# Altium PCB ALTIUM_{TEX139}_HV-1PH-DCAC-R3.PcbDoc (part 2 of 3)
Units mil, origin at the board's own origin, x right, y up, seen from the top; angles counter-clockwise.
Board outline 11236.22 x 7400 mil, 2 copper layers (Top Layer, Bottom Layer); 251 components, 161 nets, 894 pads, 401 vias.
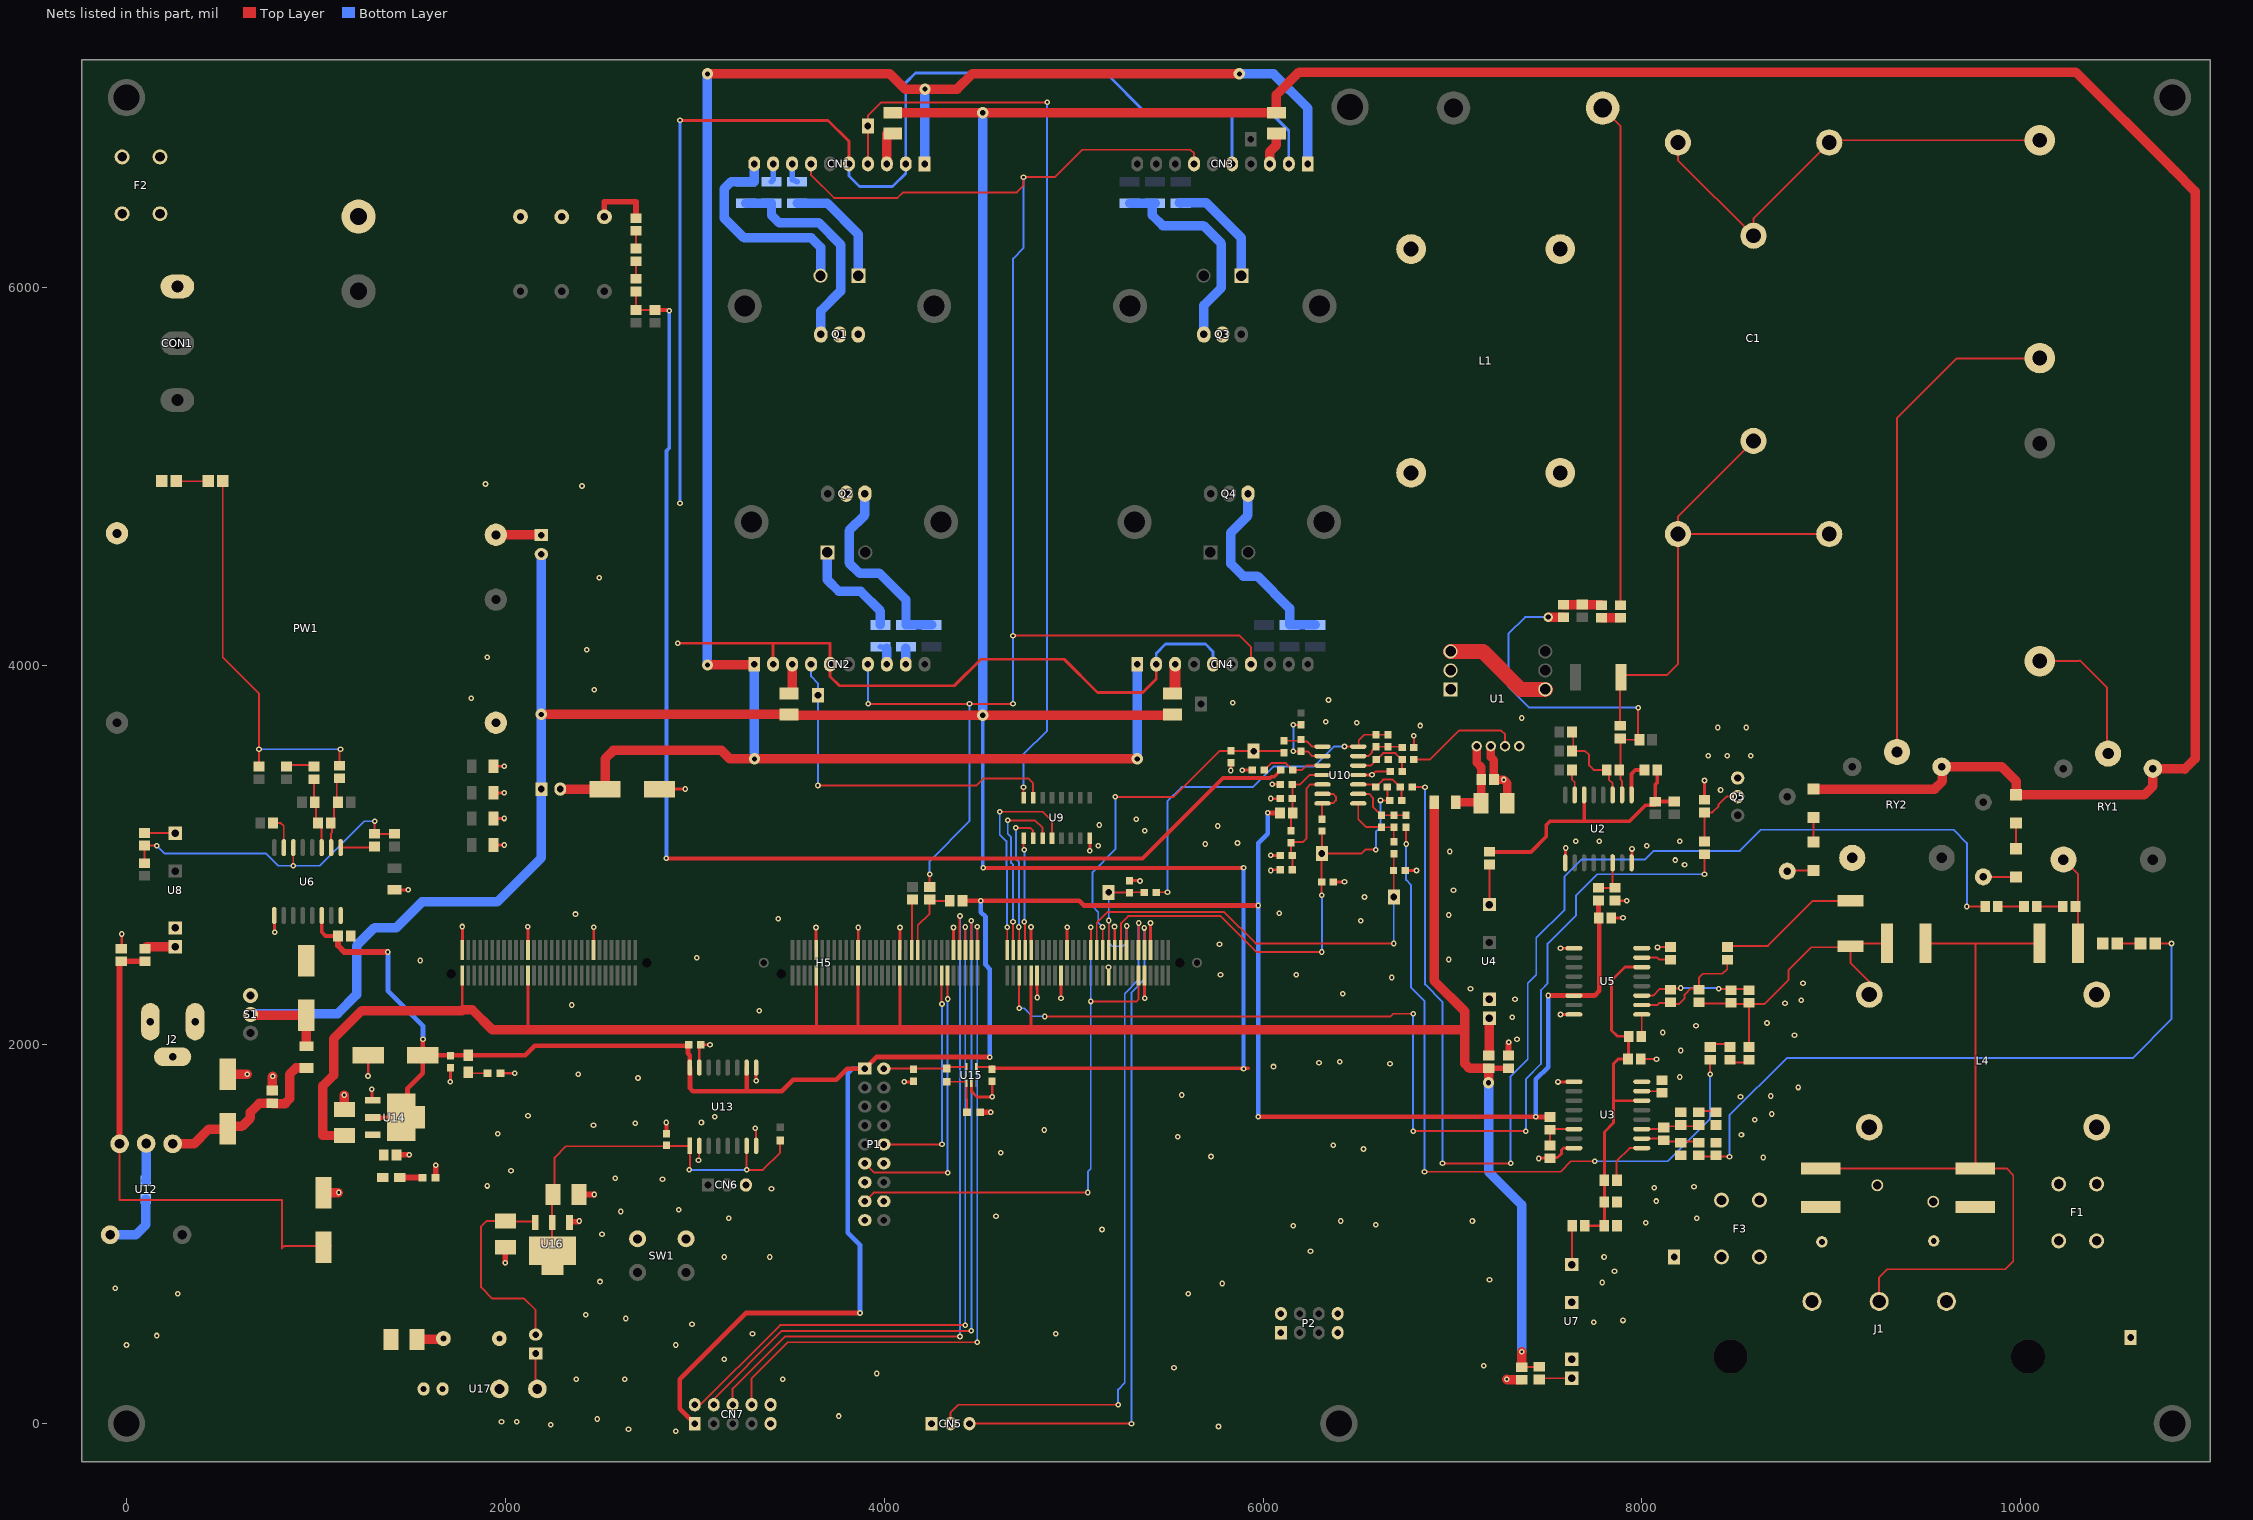
[diagram p2: the nets of this part, all layers, seen from the top]

## Part data
C1: "CAP, Film, 4.7 µF, 630 V, +/- 10%, 0.015 ohm, TH"
C3 C5 C6: library part C3222P2, "C3222P2"
C4 C8 C13 C14: library part GRM55DR72J154KW01L, "CAP, CERM, 0.15uF, 630V, +/-10%, X7R, 2220"
C7: library part CE1035P2, "CE1035P2"
C9 C12 C45 C46 C47 C48 C49 C50 C51 C52 C53 C54 C55 C58 C64 C66: library part Capacitor, "CAP, CERM, xxxF, xxV, [TempCo], xx%, [PackageReference]"
C11 C57 C68 C73 C74: library part CE5080R, "CE5080R"
C15 C16 C17 C18 C25 C26 C27 C30 C32 C33 C37 C40: "CAP, CERM, 0.1uF, 16V, +/-10%, X7R, 0805"
C19 C20 C31 C36: "CAP, CERM, 330pF, 50V, +/-10%, X7R, 0805"
C21 C22 C23 C24 C34 C35 C38 C39: "CAP, CERM, 10pF, 50V, +/-5%, C0G/NP0, 0805"
C28 C29 C41 C42 C43 C44: "CAP, CERM, 1uF, 20V, +/-10%, X5R, 0805"
C56 C61 C62 C69: "CAP, AL, 100uF, 50V, +/-20%,  ohm, SMD"
C59: "CAP, AL, 330uF, 2.5V, +/-20%, 0.015 ohm, SMD"
C63 C65 C67: library part C0603SM, "C0603SM"
C70 C71 C72: library part C0805BSM, "C0805BSM"
CN1 CN2 CN3 CN4: library part DRV10
CN5 CN6: library part DB01P03, "DB01P03"
CN7: library part "Header 5X2", "Header, 5-Pin, Dual row"
CON1: library part CN25P03, "CN25P03"
D1 D2 D3 D4: library part C3D08060A, "Diode, Schottky, 600V, 8A, TH"
D5 D6: library part D10626A, "D10626A"
D7 D8: library part LED0, "Typical INFRARED GaAs LED"
F1 F2 F3: library part Vertical_Fuse
H1 H2 H3 H4: "HEATSINK TO-218/TO-247 W/PINS 2\""
H5: library part HEADER_HSEC_180_F2837x_HVDCACSolar
J1: "Connector, AC Board mount, 9mm"
J2: library part PWR2.5, "Low Voltage Power Supply Connector"
J5: library part Pwr_Short
JP2 JP3 JP4: library part J7, "J7"
L1: library part RC1212P2, "Custom"
L2 L2N: library part 1140-471K-RC
L3 L5 L6 L7 L8 L9 L19: "Ferrite Bead, 100 ohm @ 100MHz, 3A, 1206"
L10 L11 L12 L13 L14 L15 L16 L17 L18: library part MMZ2012R300A, "Ferrite Bead, 30 ohm @ 100MHz, 1.5A, 0805"
P1: "Header, 9-Pin, Dual row"
P2: "Header, 4-Pin, Dual row"
PW1: library part PR902A
Q1 Q2 Q3 Q4: library part IGBT
Q5: library part FET350R, "FET350R"
R2 R3 R5 R25 R26 R27 R28 R29 R30 R31 R35 R36 R72: library part R0805BSM, "R0805BSM"
R6 R7 R9 R10 R12 R13 R18 R19 R21 R22 R23 R24: library part ERJ14NF5110U, "RES, 47Kohm, 1%, 0.5W, 1210"
R8 R11 R15: library part Resistor, "RES, 1M ohm, 1%, xW, [PackageReference]"
R14 R41 R43 R52 R53: "RES, 1.62k ohm, 1%, 0.125W, 0805"
R16: library part Resistor, "RES, 22K ohm, 1%, xW, [PackageReference]"
R17 R20 R32 R37 R47 R48: "RES, 1.00Meg ohm, 1%, 0.125W, 0805"
R33 R39 R40 R42 R44 R46 R49 R51 R54: "RES, 12 ohm, 5%, 0.125W, 0805"
R34 R38 R45 R50: "RES, 1.1 ohm, 5%, 0.125W, 0805"
R55 R56 R58 R59 R60 R61 R63 R64 R65 R66 R67 R68 R78 R79 R80: library part Resistor, "RES, 1K ohm, x%, xW, [PackageReference]"
R57 R62: library part Resistor, "RES, 10K ohm, x%, xW, [PackageReference]"
R69: "RES, 3.3Kohm, 5%, 0.125W, 0805"
R70: "RES, 0 ohm, 5%, 0.125W, 0805"
R71: "RES, 0.0 ohm, 5%, 0.125W, 0805"
R73 R74 R75 R76 R77: library part R0603SM, "R0603SM"
RSH1 RSH2: "RES, 0.01 ohm, 1%, 1W, 2512"
RV1: "Varistor 275V RMS 10MM Radial, TH"
RY1 RY2: library part RY201-1C
S1: library part SW-SPDT, "SPDT Subminiature Toggle Switch, Right Angle Mounting, Vertical Actuation"
SW1: library part KRS640, "KRS640"
TP1 TP2 TP13 TP14 TP15 TP16 TP17 TP18 TP19 TP20: library part PIN1, "ZR"
U1: "Current Transducer, AC/DC, 6A, TH"
U2 U3 U5 U6: "20MHz, Second-Order, Isolated Delta-Sigma Modulator for Current-Shunt Measurement, DW0016A"
U4 U7 U8: "IC, Miniature, 1-W, 3-kV Isolated Unregulated DC/DC Converters"
U9: library part 2003SM, "2003SM"
U10: "High-Speed, Single-Supply, Rail-to-Rail Operational Amplifier MicroAmplifier(TM) Series, 2.7 to 5.5 V, -55 to 150 degC, 14-pin SOIC (D0014A), Green (RoHS & no Sb/Br)"
U12: library part Component_1
U13: library part ISO7242, "ISO7242"
U14 U16: library part LM1117SM, "LM1117SM"
U17: library part DCH010505S
ZD1 ZD2 ZD3 ZD4: library part ZD123BSM, "ZD123BSM"

## Via types
v1: diameter 30/30 (per signal layer), hole 14, Top Layer to Bottom Layer, 390 vias
v2: diameter 60/60 (per signal layer), hole 28, Top Layer to Bottom Layer, 10 vias
v3: diameter 50, hole 28, Top Layer to Bottom Layer, 1 vias

## Nets (pads, with @x,y where several pads share a name; then routed paths per layer and width w, separated by ;. In a path a pad name is that pad's centre, name@x,y a point inside that pad or via, vN(x,y) a via of type N, cw(c..) or ccw(c..) an arc to the next point about the centre after c; other vN are vias at no path point)
1.65V: C46.1 C48.2 H5.17 R59.1 R61.1 TP14.1 | length 2675.7
  Top Layer w10: H5.17@5248.03,2540 5250,2501.97 5250,2642 5287,2679 5776,2679 5965,2490 v1(6310,2490) ; v1(6310,2790) 6308.5,2791.5 6308.5,3018.5 TP14.1@6310,3020 ; R59.1@6310,3128.5 TP14.1@6310,3020 ; v1(6595,3030) 6540,3030 6520,3010 TP14.1@6310,3010 TP14.1@6310,3020 ; v1(6620,3290) C48.2@6656.5,3290 ; R61.1@6656.5,3360 C48.2@6656.5,3290 ; C48.2@6668.5,3290 C48.2@6661.5,3290 ; C48.2@6656.5,3290 C48.2@6661.5,3290 ; C48.2@6656.5,3290 6656.5,3285 C48.2@6661.5,3290
  Bottom Layer w10: v1(6310,2490) v1(6310,2790) ; v1(6595,3030) 6595,3125 6620,3150 v1(6620,3290)
3.3V: C51.1 C52.1 L18.2 R57.2 U10.4 | length 428.5
  Top Layer w10: R57.2@6147.78,3130.65 6147.78,3215.69 L18.2@6156.24,3224.15 6156.24,3297.18 C51.1@6154.28,3299.15 C52.1@6154.28,3374.15 6195,3374.15 6245.85,3425 6312.66,3425 U10.4@6313.51,3424.15
3.3VA: C27.2 C33.2 C63.2 C69.1 C70.2 CN7.1 D7.1 L10.2 L11.2 L18.1 P1.1 R69.2 U5.14 U6.14 U13.10 U13.16 U14.2 U14.4 U14.4/2 | length 15066.8
  Top Layer w10: U14.4@1445.55,1614.61 1446.57,1613.58 1450.08,1613.58 U14.4/2@1545.55,1613.58
  Top Layer w20: U6.14@1030.57,2682.34 1030.57,2595 1050.57,2575 C33.2@1116.54,2575
  Top Layer w25: U14.2@1295.53,1613.59 1300.09,1613.62 1445.55,1614.61 1483.7,1614.61 1483.7,1617 1483.7,1770 1563.7,1850 C69.1@1563.7,1945 ; v1(1565,2030) 1563.7,2028.7 C69.1@1563.7,1945 ; CN7.1@3000,0 2920,80 2920,234 3270,584 v1(3872,584) ; U13.10@3273.78,1879.84 3275,1879.84 3275,1755 ; R69.2@4413.46,2760 v1(4510,2760) 5030,2760 5055,2735 v1(5975,2735) ; v1(4557,1935) 3958.63,1935 P1.1@3897.78,1874.15 3805,1874.15 3745.85,1815 3520,1815 3460,1755 3275,1755 ; v1(5975,1620) v1(7440,1620) 7441.54,1618.46 L11.2@7515,1618.46 ; v1(6025,3225) 6025.85,3224.15 L18.1@6089.31,3224.15 ; v1(7505,2260) U5.14@7640.87,2260 7750,2260 7775,2285 7775,2666.54 C27.2@7771.54,2670 7770,2670 L10.2@7770,2761.54 ; C69.1@1563.7,1945 1709.37,1945 1710,1945.63 1710.35,1945.28 D7.1@1805,1945.28 1805.28,1945 2105,1945 2155,1995 C63.2@2963.78,1995 ; C63.2@2963.78,1995 2963.78,1999.41 2964.37,2000 2964.37,1995 C63.2@2963.78,1995 ; C63.2@2963.78,1995 2963.78,1955 2973.78,1945 U13.16@2973.78,1879.84 2975,1878.62 2975,1770 2990,1755 3275,1755
  Top Layer w30: C33.2@1116.54,2575 1116.54,2523.46 1150,2490 v1(1380,2490)
  Bottom Layer w25: v1(1380,2490) 1380,2285 1565,2100 v1(1565,2030) ; v1(3872,584) 3872,944 3807,1009 3807,1849 3832.15,1874.15 P1.1@3897.78,1874.15 ; v1(4510,2760) 4510,2700 4535,2675 4535,2422 4557,2400 v1(4557,1935) ; v1(5975,1620) v1(5975,2735) 5975,3065 6025,3115 v1(6025,3225) ; v1(7440,1620) 7440,1817 7505,1882 v1(7505,2260)
3.3VISO: C65.1 C73.1 R75.1 U13.1 U13.7 U16.2 U16.4 U16.4/2 | length 2148.8
  Top Layer w10: U16.4/2@2246.45,840.47 2246.45,916.18 2246.59,916.32 2246.59,1065.32 2245.59,1066.32 2245.59,1204.49 C73.1@2251.1,1210 2260,1218.9 2260,1404.37 2320,1464.37 2850,1464.37 2852.09,1466.46 U13.1@2973.78,1466.46 2973.78,1340 v1(2970,1340) ; U13.7@3273.78,1466.46 v1(3273.78,1340) 3360,1340 3450,1430 R75.1@3450,1494.96
  Bottom Layer w10: v1(2970,1340) v1(3273.78,1340)
12V: C71.2 P1.2 R73.1 U15.5 | length 441.3
  Top Layer w10: P1.2@3997.78,1874.15 3999.26,1875.63 4155,1875.63 4155,1875.04 R73.1@4330,1875.04 4338.27,1883.31 U15.5@4434.41,1883.31
+5V: C28.1 C41.1 C43.1 C57.1 C62.1 C66.1 C68.1 D8.1 H5.48 H5.84 H5.98 H5.112 H5.158 H5.180 L3.1 L12.1 L14.1 L16.1 U12.3 U14.3 U17.1 | length 14301.6
  Top Layer w10: U12.3@-36.38,1477.13 -36.38,1180 820,1180 820,925 832.5,937.5 C62.1@1079.13,937.5 ; C41.1@7365,298.46 7458,298.46 L14.1@7458,300
  Top Layer w15: 1772.91,2185 H5.180@1772.91,2326.14 ; 2119.37,2080.63 H5.158@2119.37,2326.14 ; 3641.73,2081.73 H5.112@3641.73,2326.14 ; 3862.2,2080 H5.98@3862.2,2326.14 ; 4082.68,2080 H5.84@4082.68,2326.14 ; 4775.59,2080 H5.48@4775.59,2326.14
  Top Layer w30: U12.3@-36.38,1477.13 -36.38,2431.53 C43.1@-27.22,2440.68 L16.1@97.78,2440.68 ; L12.1@7190.78,1876.54 C28.1@7295,1876.54
  Top Layer w50: C68.1@1150,1521.1 1037,1521.1 1037,1784 1092,1839 1094,1839 1094,2033 1241,2180 1772.91,2180 1772.91,2185 1825,2185 1930,2080 2120,2080 ; 2119.37,2080.63 2120,2080 ; 3641.73,2081.73 3640,2080 ; L3.1@6902.91,3280 6902.91,2338.09 7065,2176 7065,2080 ; v2(7190,1800) 7190.78,1800.78 L12.1@7190.78,1876.54 7189.24,1875 7090,1875 7065,1900 7065,2080 ; C41.1@7365,298.46 v1(7365,380) ; 2120,2080 3640,2080 ; 3640,2080 3862.2,2080 4082.68,2080 4775.59,2080 7065,2080
  Bottom Layer w50: v2(7190,1800) 7190,1330 7365,1155 v1(7365,380)
+5V_1: C18.2 C30.2 C42.1 L15.2 R38.1 R45.1 U3.6 U5.6 | length 1891.6
  Top Layer w15: L15.2@7698.46,1045 C42.1@7801.54,1045 C18.2@7801.54,1170 R38.1@7801.54,1285 7801.54,1540 7850,1588.46 7850,1705 ; U3.6@7999.13,1705 7850,1705 ; U5.6@7999.13,2410 7910,2410 7840,2340 7840,2075 7870,2045 7928.5,2045 R45.1@7929.5,2044 7929.5,1925 C30.2@7926.54,1925 7875,1925 7850,1900 7850,1705
+5V_2: C17.2 C29.1 L13.2 R34.1 U2.6 | length 1441.7
  Top Layer w20: L13.2@7195.78,3018.46 7413.46,3018.46 7495,3100 7495,3160 7515,3180 7695,3180 ; U2.6@7695,3319.13 7695,3180 ; R34.1@8080.69,3450.85 8080.69,3385 8070,3374.31 C17.2@8070,3283.65 ; C29.1@8170,3284.46 8170,3283.65 C17.2@8070,3283.65 ; 7695,3180 7935,3180 8020,3265 8070,3265 C17.2@8070,3283.46 C17.2@8070,3283.65
+5V_3: C32.2 C44.1 L17.2 R50.1 U6.6 | length 1716.9
  Top Layer w10: C44.1@95,2958.46 L17.2@95,3051.54 158.46,3051.54 v1(160,3050) ; v1(880,2945) 880.57,2945.57 U6.6@880.57,3040.61 ; v1(1310,3180) R50.1@1310,3113.46 C32.2@1415,3113.46
  Bottom Layer w10: v1(160,3050) 200,3010 735,3010 800,2945 v1(880,2945) 1020,2945 1255,3180 v1(1310,3180)
+15V: C59.1 C72.2 JP2.1 JP3.2 L19.1 R28.2 R29.2 R35.2 R36.2 RY1.1 RY2.1 S1.2 U15.4 ZD1.1 ZD3.1 | length 27938.3
  Top Layer w10: U15.4@4485.59,1883.31 C72.2@4570.8,1883.31 ; v1(5897,1874) 5920.37,1875.63
  Top Layer w20: v1(4522,2934) v1(5897,2934) ; C72.2@4570.8,1883.31 4570,1882.51 4570,1875.63 5920.37,1875.63
  Top Layer w50: S1.2@655,2160 658.7,2156.3 C59.1@950,2156.3 L19.1@950,1992.09 ; v2(2190,3744.03) R36.2@3497.78,3744.03 3501.81,3740 v2(4520,3740) 5522.78,3740 R35.2@5522.78,3744.03 ; R29.2@4045,6920.12 v2@4520,6920.12 ; v2(4520,6920) v2@4520,6920.12 ; ZD3.1@8905,3349.8 9544.95,3350.01 9585,3389.94 9585,3464.38 RY2.1@9582.22,3467.16 ; RY2.1@9585,3467.16 9900,3467.16 9975,3392.16 ZD1.1@9975,3319.8 10652.22,3319.8 10697.22,3364.8 RY1.1@10697.22,3458.16 10861.84,3458.16 10865,3455 10920,3510 10920,6505 10805,6620 ; 10800,6625 10290,7135 6190,7135 6070,7015 R28.2@6070,6920.12 v2@4520,6920.12
  Bottom Layer w20: v2(4520,3740) 4520,2936 v1(4522,2934) ; v1(5897,1874) v1(5897,2934)
  Bottom Layer w50: S1.2@655,2160 660,2165 1115,2165 1215,2265 1215,2524 1310,2619 1425,2619 1560,2754 1957,2754 2190,2987 JP2.1@2190,3350 v2(2190,3744.03) JP3.2@2190,4590 ; v2(4520,3740) v2(4520,6920)
+15VDRV: C56.1 CN1.1 CN2.1 CN3.1 CN4.1 JP2.2 | length 11612.8
  Top Layer w10: v2(3315,3509) v2@3322,3509
  Top Layer w50: JP2.2@2290,3350 C56.1@2526.3,3350 2526.3,3510 2570.3,3554 3141,3554 3186,3509 v2(3315,3509) ; v2(3067,4005) 3313.78,4005 CN2.1@3313.78,4009 ; v2(3067,7125) 4030,7125 4110,7045 v2(4215,7045) 4385,7045 4465,7125 v2(5875,7125) ; v2@3322,3509 v2(5335,3509)
  Bottom Layer w50: v2(3067,4005) v2(3067,7125) ; CN2.1@3313.78,4009 v2(3315,3509) ; CN1.1@4213.78,6650 4215,6651.22 v2(4215,7045) ; v2(5335,3509) 5335,4000.22 CN4.1@5335.78,4009 ; v2(5875,7125) 6055.78,7125 6235.78,6945 CN3.1@6235.78,6650
+BUS: C3.2 C5.2 C6.2 C7.1 D1.1 D3.1 F2.3 F2.4 PW1.1 Q1.2 Q3.2 R6.2 R7.2 R8.2 R47.1 | length 1555
  Top Layer w30: C6.2@2522.78,6371 2522.78,6450 2690,6450 R8.2@2690,6363.46
  Bottom Layer w50: R6.2@3540,6441.91 3700,6441.91 3863.78,6278.13 D1.1@3863.78,6060 ; R7.2@5565,6441.91 5557.09,6444 5700.78,6444 5885.78,6259 D3.1@5885.78,6060
BUS.V: C54.1 H5.23 R65.2 TP19.1 | length 1841.7
  Top Layer w10: v1(5152,2622) 5153.54,2622 H5.23@5153.54,2540 ; v1(5220,3309) 5528.5,3309 5771,3551.5 C54.1@5830,3551.5 5830,3550 TP19.1@5950,3550 6109.78,3550 R65.2@6109.78,3541.8
  Bottom Layer w10: v1(5152,2622) 5130,2644 5130,2700 5100,2730 5100,2912 5220,3032 v1(5220,3309)
BUS.V+: C9.1 R15.1 R16.2 R79.2 | length 6608.2
  Top Layer w10: R15.1@2690,5976.54 R16.2@2690,5878.46 C9.1@2790,5878.46
  Top Layer w20: C9.1@2790,5878.46 2861.54,5878.46 v1(2865,5875) ; v1(2850,2984) 5364,2984 5788,3408 6038,3408 6045,3415 6058.5,3415 R79.2@6093.5,3450
  Bottom Layer w20: v1(2850,2984) 2850,5135 2865,5150 v1(2865,5875)
CAPISENSESD: C1.1 C1.1/2 C1.1/3 R39.1 RSH1.1 | length 2723.5
  Top Layer w10: R39.1@7885,3690 7885,3934.92 RSH1.1@7890.08,3940 7903.08,3953 8133,3953 8189.39,4009.39 C1.1@8189.39,4695.87 ; C1.1/3@8589,5188 8189.39,4788.39 C1.1@8189.39,4695.87 ; C1.1/2@8988.61,4695.87 C1.1@8189.39,4695.87
CAPVSENSESD: R14.1 R17.1 R33.1 | length 203.4
  Top Layer w50: R33.1@7585,4323.46 7684.54,4323.46 R14.1@7685,4323.93 7784,4323.93 R17.1@7787,4320.93
DAC-EN: H5.70 P1.10 | length 1160
  Top Layer w10: P1.10@3997.78,1474.15 4305,1474.15 v1(4305,1475) ; H5.70@4303.15,2326.14 4303.15,2216.85 v1(4305,2215)
  Bottom Layer w10: v1(4305,1475) v1(4305,2215)
DACA: CN5.3 H5.9 | length 3577
  Top Layer w10: CN5.3@4450,0 v1(5305,0) ; v1(5373,2617) 5374.02,2615.98 H5.9@5374.02,2540
  Bottom Layer w10: v1(5305,0) 5305,2275 5373,2345 v1(5373,2617)
DACB: CN5.2 H5.11 | length 3651.7
  Top Layer w10: CN5.2@4350,0 4350,60 4390,100 v1(5235,100) ; H5.11@5342.52,2540 5342.52,2607.52 v1(5343,2643)
  Bottom Layer w10: v1(5235,100) 5235,180 5270,215 5270,2270 5343,2345 v1(5343,2643)
EARTH: C4.2 C8.2 C13.1 C14.1 J1.3 | length 4142.9
  Top Layer w10: C14.1@8945,1347.36 C8.2@9760,1347.36 ; J1.3@9252.22,645 9252.22,772.22 9295,815 9918,815 9960,857 9960,1312.36 9925,1347.36 C8.2@9760,1347.36 ; C13.1@9497.36,2535 9760,2535 ; C4.2@10097.64,2535 9760,2535 ; C8.2@9760,1347.36 9760,2535
FAULT: CN1.7 CN2.7 CN3.7 CN4.7 R70.1 | length 8528.7
  Top Layer w10: CN1.7@3613.78,6650 3613.78,6591.22 3735,6470 4070,6470 4100,6500 4700,6500 4735,6535 v1(4735,6580) 4900,6580 5045,6725 5615.78,6725 5635.78,6705 CN3.7@5635.78,6650 ; v1(3915,3800) v1(4450,3800) v1(4680,3800) ; R70.1@4240,2833.46 v1(4240,2900) ; v1(4680,4160) 5875.78,4160 5935.78,4100 CN4.7@5935.78,4009
  Bottom Layer w10: CN2.7@3913.78,4009 3913.78,3801.22 v1(3915,3800) ; v1(4240,2900) 4240,2970 4450,3180 v1(4450,3800) ; v1(4680,3800) v1(4680,4160) 4680,6150 4735,6205 v1(4735,6580)
GND: C11.2 C12.2 C15.1 C16.1 C27.1 C28.2 C33.1 C41.2 C43.2 C46.2 C47.2 C49.2 C51.2 C52.2 C53.2 C54.2 C55.2 C56.2 C57.2 C58.2 C59.2 C61.2 C62.2 C63.1 C64.2 C66.2 C67.1 C68.2 C69.2 C70.1 C71.1 C72.1 CN1.2 CN1.5 CN2.2 CN2.5 CN3.2 CN3.5 CN4.2 CN4.5 CN5.1 CN7.9 CN7.10 H5.7 H5.10 H5.19 H5.22 H5.35 H5.38 H5.46 H5.47 H5.65 H5.83 H5.97 H5.111 H5.135 H5.157 H5.179 J2.2 J2.3 L5.2 L6.2 L7.2 L8.2 L9.2 P1.12 P1.13 P1.16 P1.17 PW1.7 Q5.1 R31.2 R62.1 R64.1 R68.1 R72.1 R74.1 R76.2 R77.2 U1.8 U2.9 U2.16 U3.9 U3.16 U4.2 U5.9 U5.16 U6.9 U6.16 U7.2 U8.2 U9.8 U10.11 U12.2 U13.9 U13.15 U14.1 U15.2 U17.2 | length 16279.3
  Top Layer w10: v1@1118.7,1218.7 v1(1120,1220) ; v1(6575,3425) 6592.01,3442.01 R68.1@6670.51,3442.01 R68.1@6661.5,3451.02 ; R64.1@6796,3570.5 R64.1@6796.5,3570 6796.5,3631.5 v1(6796,3632)
  Top Layer w15: C43.2@-27.22,2507.61 -25,2507.61 v1(-25,2585) ; U6.9@780.57,2682.34 780.57,2595.43 v1(782,2594) ; v1(1275,1835) 1276.3,1836.3 C69.2@1276.3,1945 ; v1(1295,1765) 1295.53,1764.47 U14.1@1295.53,1704.59 ; L9.2@1415,2817.91 1487,2817.91 v1(1487,2819) ; v1(1710,1805) C70.1@1710,1874.37 ; H5.179@1772.91,2540 1773,2500 v1(1773,2624) ; L8.2@1937.09,3055 v1(1995,3055) ; L7.2@1937.09,3195 v1(1995,3195) ; L6.2@1937.09,3330 v1(1995,3330) ; L5.2@1937.09,3470 v1(1995,3470) ; R76.2@1975.04,1850 v1(2050,1850) ; v1(2119,2623) 2119,2500 H5.157@2119.37,2540 ; H5.135@2465.83,2540 H5.135@2467,2500.03 ; H5.135@2467,2500 v1(2467,2621) ; C56.2@2813.7,3350 v1(2950,3350) ; v1(2910,4120) 3413.78,4120 ; v1(2922,6880) 3703.78,6880 3813.78,6770 CN1.5@3813.78,6650 ; U13.15@3023.78,1879.84 3023.78,2000 C63.1@3031.5,2000 v1(3080,2000) ; U13.9@3323.78,1879.84 3323.78,1811.22 v1(3325,1810) ; CN2.2@3413.78,4009 3413.78,4120 ; v1(3640,2619) 3640,2500 3640,2500.07 H5.111@3641.73,2540 ; H5.97@3862.2,2540 3863,2500.02 v1(3863,2619) ; H5.83@4082.68,2540 4083,2500 v1(4083,2619) ; v1(4105,1805) 4105.63,1804.37 C71.1@4155,1804.37 ; v1(4366,2619) H5.65@4366.14,2540 ; U15.2@4460,1796.69 4460,1755 4490,1725 v1(4570,1725) C72.1@4570,1804.37 ; v1(4775,2622) H5.47@4775.59,2540 ; H5.46@4807.09,2326.14 v1(4808,2250) ; v1(4933,2246) 4933.07,2246 H5.38@4933.07,2326.14 ; H5.35@4964.57,2540 4964.57,2621 v1(4966,2621) ; v1(5085,3025) 5085.78,3025.78 U9.8@5085.78,3090.08 ; v1(5184,2409) 5185.04,2409 H5.22@5185.04,2366.14 H5.22@5185.04,2326.14 ; v1(5216,2624) 5216.54,2622 H5.19@5216.54,2540 ; C53.2@5295,2866.5 5348.5,2866.5 v1(5350,2865) ; H5.10@5374.02,2326.14 5374.02,2245 v1(5375,2245) ; H5.7@5405.51,2540 5405.51,2643 v1(5406,2643) ; CN4.2@5435.78,4009 5435.78,3930.78 5365,3860 5125,3860 4950,4035 4510,4035 4370,3895 3763.78,3895 3713.78,3945 CN2.5@3713.78,4009 3713.78,4120 3413.78,4120 ; v1(5830,3448) C54.2@5830,3488.5 ; v1(5890,3450) C58.2@5943.5,3450 ; v1(6040,2920) 6044.15,2924.15 R62.1@6091.28,2924.15 ; v1(6040,3000) 6040.85,2999.15 C49.2@6091.28,2999.15 ; v1(6040,3300) 6040.85,3299.15 C51.2@6091.28,3299.15 ; v1(6048,3375) C52.2@6091.28,3374.15 ; C46.2@6371.5,2860 v1(6430,2860) ; U10.11@6502.49,3424.15 6574.15,3424.15 v1(6575,3425) ; C47.2@6751.5,2920 v1(6810,2920) ; v1(7455,1400) 7455,1401.54 C16.1@7515,1401.54 7518.46,1405 7555,1405 7575,1425 7575,1445 7585,1455 U3.16@7640.87,1455 ; v1(7557,1804) 7640.87,1804 U3.9@7640.87,1805 ; v1(7570,2160) U5.16@7640.87,2160 ; v1(7570,2510) U5.9@7640.87,2510 ; U2.9@7595,2960.87 7597,2960.87 v1(7597,3039) ; C27.1@7838.46,2670 v1(7900,2670) ; C15.1@7857,2761.54 7857,2760 v1(7920,2760) ; U2.16@7945,2960.87 7947,2960.87 v1(7947,3034) ; R31.2@8330,3308.23 v1(8330,3395)
  Top Layer w30: C66.2@1425.46,1419 v1(1492,1419) ; v1(1632,1364) 1632.04,1363.96 R77.2@1632.04,1299 ; R74.1@4507.04,1644 v1(4562,1644) ; C28.2@7295,1943.46 7295,2012 v1(7297,2014)
  Top Layer w45: U1.8@7202.18,3576.26 7202.18,3518.81 7218.46,3502.54 C12.2@7218.46,3400 v1(7270,3400) 7288.9,3381.1 C11.2@7288.9,3275
  Top Layer w50: C61.2@535,1843.7 636.7,1843.7 v1(637,1844) ; C64.2@770,1758.46 770,1832 v1(772,1834) ; C62.2@1040,1218.7 v1@1118.7,1218.7 ; C68.2@1150,1658.9 v1(1150,1735) ; C57.2@1533.9,445 1668.63,445 C67.1@1672.78,449.15 ; v1(7287,234) 7289.46,231.54 C41.2@7365,231.54
  Bottom Layer w15: v1(2922,4859) v1(2922,6880) ; CN1.5@3813.78,6650 3813.78,6586.22 3870,6530 4043.78,6530 4113.78,6600 CN1.2@4113.78,6650 4113.78,7078.78 4165,7130 5170,7130 5380,6920 5835.78,6920 ; CN4.2@5435.78,4009 5435.78,4065.78 5485,4115 5695.78,4115 5735.78,4075 CN4.5@5735.78,4009 ; CN3.5@5835.78,6650 5835.78,6920 ; CN3.2@6135.78,6650 6135.78,6825 6040.78,6920 5835.78,6920
  Bottom Layer w50: R72.1@102,1282.23 103.78,1282.23 U12.2@103.78,1479.09
  other v1: 2900,-40 5765,-15 3760,40 3465,235 3960,265 5530,295 7165,305 3155,340 0,415 2900,415 160,465 3305,475 4905,475 2985,525 270,685 5605,685 -60,715 5785,740 7195,760 6250,910 5150,1025 6160,1045 6595,1050 6410,1070 7105,1070 4590,1095 5725,1410 4615,1430 6530,1450 6370,1470 5550,1515 4845,1550 5570,1735 2700,1825 2385,1845 6055,1885 6670,1900 6295,1905 6405,1910 7340,2030 7315,2145 3340,2180 2350,2210 7330,2240 6420,2270 7095,2295 6680,2355 5775,2370 6175,2370 1550,2445 6980,2450 3010,2460 5770,2530 6515,2655 3440,2665 6980,2685 2370,2690 6085,2695 6535,2780 7005,2815 8225,2950 8175,2975 6985,3020 5130,3050 8025,3050 5695,3060 5865,3065 7650,3075 7775,3075 8200,3075 5375,3130 5760,3155 5135,3160 5330,3190 8415,3345 8350,3525 8450,3525 8575,3525 8400,3675 8550,3675 6830,3685 6495,3700 6330,3705 7365,3725 5840,3805 6345,3820 1820,3830 2470,3875 1905,4045 2430,4085 2495,4465 2405,4950 1895,4960
GNDISO: C65.2 C67.2 C73.2 C74.2 CN6.3 SW1.1 SW1.2 U13.2 U13.8 U16.1 U17.5 | length 446.9
  Top Layer w10: v1(3020,1390) 3023.78,1390 U13.2@3023.78,1466.46 ; v1(3320,1560) 3323.78,1556.22 U13.8@3323.78,1466.46
  Top Layer w20: C65.2@2850,1535.63 v1(2850,1590)
  Top Layer w30: v1(2000,850) C74.2@2000,931.1 ; U16.1@2336.59,1066.32 2386.32,1066.32 v1(2390,1070) ; C73.2@2388.9,1210 v1(2470,1210)
  other v1: 2650,-30 2240,-5 1980,10 2060,10 2485,25 2375,235 2630,235 2635,555 2425,575 2500,750 3155,880 3395,880 2510,1000 3180,1085 2610,1120 2915,1130 3405,1240 1905,1255 2830,1290 2580,1295 2030,1335 1960,1530 2465,1575 2685,1585 3035,1590 3105,1620 2120,1625
GPIN: CN7.8 H5.57 | length 3686.2
  Top Layer w10: CN7.8@3300,100 3300,240 3490,430 v1(4491,430) ; v1(4491,2623) 4492.13,2621.87 H5.57@4492.13,2540
  Bottom Layer w10: v1(4491,430) v1(4491,2623)
GPOUT: CN7.2 H5.61 | length 3828.9
  Top Layer w10: CN7.2@3000,100 3000,70 3450,520 v1(4428,520) ; v1(4428,2622) 4429.13,2620.87 H5.61@4429.13,2540
  Bottom Layer w10: v1(4428,520) v1(4428,2622)
GRIDISENSESD: R46.1 RSH2.2 RY2.5 | length 747.5
  Top Layer w10: R46.1@8451,2522.39 8665,2522.39 8902.69,2760.08 RSH2.2@9100,2760.08
I.INV: C53.1 H5.15 H5.21 R66.2 TP18.1 | length 856.5
  Top Layer w10: v1(5185,2656) 5185.04,2624.96 H5.21@5185.04,2540 ; TP18.1@5185,2805 5186.5,2803.5 C53.1@5295,2803.5 5296.5,2805 R66.2@5373.5,2805 ; H5.15@5279.53,2540 5279.53,2626.53 v1(5280,2627)
  Bottom Layer w10: TP18.1@5185,2805 v1(5185,2656) 5185,2540 5205,2520 5260,2520 5280,2540 v1(5280,2627)
I.INV1+: R67.1 U1.9 | length 615.4
  Top Layer w10: R67.1@6796.5,3505 6880,3505 7034,3659 7257,3659 7277.18,3638.81 U1.9@7277.18,3576.26
I.OFFSET-: U1.10
INT: H5.68 P1.11 | length 1458.7
  Top Layer w10: P1.11@3897.78,1374.15 3946.93,1325 v1(4335,1325) ; H5.68@4334.65,2326.14 4334.65,2275.35 v1(4335,2242)
  Bottom Layer w10: v1(4335,1325) v1(4335,2242)
LINE.L: F1.3 F1.4 J1.1 P2.1 P2.2 TP1.1
LINE.N: F3.3 F3.4 J1.2 P2.7 P2.8 TP2.1
LINE.V: C47.1 H5.25 R58.2 TP13.1 | length 2240.5
  Top Layer w10: H5.25@5122.05,2540 5122.05,2645 5179.05,2702 5793,2702 5960,2535 v1(6690,2535) ; TP13.1@6690,2780 6690,2918.5 C47.1@6688.5,2920 6690,2921.5 R58.2@6690,3008.5
  Bottom Layer w10: v1(6690,2535) TP13.1@6690,2780
LINE.V+: R2.2 R60.1 | length 6756.3
  Top Layer w10: R60.1@6786.5,3360 v1(6855,3360) ; v1(6947,1374) v1(7307,1374) ; v1(9715,2730) R2.2@9796.77,2730
  Bottom Layer w10: v1(6855,3360) 6855,2319 6947,2227 v1(6947,1374) ; v1(7307,1374) 7307,1834 7397,1924 7397,2324 7442,2369 7442,2564 7592,2714 7592,2889 7682,2979 8017,2979 8062,3024 8517,3024 8628,3135 9645,3135 9715,3065 v1(9715,2730)
LINE_VN: C13.2 C18.1 C23.2 C24.2 C26.1 C30.1 C34.2 C35.2 C37.1 C42.2 L4.2 R25.1 R41.1 R43.2 R49.1 RSH2.1 U3.8 U5.8 U7.5 | length 1817.7
  Top Layer w10: C30.1@7993.46,1925 8076,1925 v1(8077,1924) ; v1(8082,2514) 8083.85,2515.85 C37.1@8151,2515.85 ; C35.2@8301,2217.39 8467.61,2217.39 8470,2215 R49.1@8565,2215 ; R25.1@8565,2003.23 R49.1@8565,2215 ; L4.2@9200,2265 9200,2334 9100,2434 RSH2.1@9100,2519.92 ; C13.2@9292.64,2535 9115.08,2535 RSH2.1@9100,2519.92 ; R49.1@8565,2215 8645,2215 8773.81,2343.81 8773.81,2396.19 8892.61,2515 9095.08,2515 RSH2.1@9100,2519.92
  other v1: 7745,535 7900,545 7790,745 7855,805 7800,880 8020,1060 8290,1085 8075,1175 8065,1245 8275,1250 8640,1405 8525,1525 8595,1605 8685,1635 8520,1725 8680,1730 8825,1775 8200,1830 8205,1970 8805,2050 8110,2065 8285,2100 8660,2115 8755,2220 8840,2235 8850,2325
LINE_VP: C4.1 L4.3 R5.1 R32.1 RY1.5 | length 475.7
  Top Layer w10: RY1.5@10224.78,2977.84 10302.62,2900 10302.62,2730.61 10303.23,2730 10302.36,2729.13 C4.1@10302.36,2535
LINRX: CN7.6 H5.63 | length 3759.9
  Top Layer w10: CN7.6@3200,100 3200,185 3475,460 v1(4400,460) ; H5.63@4397.64,2540 4397.64,2677.64 v1(4400,2680)
  Bottom Layer w10: v1(4400,460) v1(4400,2680)
LINTX: CN7.4 H5.59 | length 3819.4
  Top Layer w10: CN7.4@3100,100 3100,130 3460,490 v1(4460,490) ; v1(4460,2655) 4460.63,2654.37 H5.59@4460.63,2540
  Bottom Layer w10: v1(4460,490) v1(4460,2655)
N.V+: R27.2 R56.1 | length 3779.4
  Top Layer w10: v1(6755,3060) R56.1@6755,3148.5 ; v1(6852,1330) 7570,1330 7625,1385 v1(7750,1385) ; v1(8360,1845) R27.2@8360,1906.77
  Bottom Layer w10: v1(6755,3060) 6755,2870 6780,2845 6780,2304 6852,2232 v1(6852,1330) ; v1(7750,1385) 8135,1385 8360,1610 v1(8360,1845)
NETC1_2: C1.2 C1.2/2 C1.2/3 J5.2 L2N.1 R20.2 | length 5094.6
  Top Layer w10: J5.2@7792.4,6945 7886,6851.4 R20.2@7886,4320.93 ; C1.2@8189.39,6762.8 8189.39,6670.28 C1.2/3@8589,6270.68 8589,6363.2 C1.2/2@8988.61,6762.8 9000.8,6775 L2N.1@10100,6775
NETC8_1: C8.1 C10.1 F1.1 F1.2 L4.4 RV1.2
NETC10_2: C10.2 C14.2 F3.1 F3.2 L4.1 RV1.1
NETC11_1: C11.1 C12.1 L3.2 U1.7 | length 447.6
  Top Layer w45: L3.2@7017.09,3280 7146.1,3280 C11.1@7151.1,3275 7151.1,3399.57 C12.1@7151.54,3400 7151.54,3465 7127.18,3489.35 U1.7@7127.18,3576.26
NETC15_2: C15.2 L10.1 U2.14 | length 219.4
  Top Layer w10: L10.1@7770,2828.46 C15.2@7845,2828.46 ; U2.14@7845,2960.87 C15.2@7845,2828.46 ; C15.2@7857,2828.46 C15.2@7845,2828.46
NETC16_2: C16.2 L11.1 U3.14 | length 210.4
  Top Layer w10: C16.2@7515,1468.46 L11.1@7515,1551.54 7518.46,1555 U3.14@7640.87,1555
NETC19_1: C19.1 C21.1 R42.2 U2.3 | length 501.4
  Top Layer w10: R42.2@7637.22,3650.85 7637.22,3550.85 7638.07,3550 7700.85,3550 7720.85,3530 7720.85,3475 7745,3450.85 C19.1@7813.76,3450.85 7825,3450.85 7825,3400 7845,3380 U2.3@7845,3319.13
NETC19_2: C19.2 C22.1 R33.2 R39.2 U2.2 | length 1897.6
  Top Layer w10: U2.2@7895,3319.13 7895,3392.22 7887.22,3400 7887.22,3607.78 7885,3610 7980,3610 v1(7980,3780)
  Top Layer w50: v3(7506,4258) 7507.46,4256.54 R33.2@7585,4256.54
  Bottom Layer w10: v3(7506,4258) 7383,4258 7295,4170 7295,3890 7405,3780 v1(7980,3780)
NETC20_1: C20.1 C23.1 R44.2 U3.3 | length 315.9
  Top Layer w10: U3.3@7999.13,1555 8115,1555 C20.1@8115,1563.46 8115,1570 8205,1570 R44.2@8300,1570
NETC20_2: C20.2 C24.1 R40.2 U3.2 | length 322.9
  Top Layer w10: U3.2@7999.13,1505 8120,1505 8115,1500 C20.2@8115,1496.54 8115,1490 8205,1490 R40.2@8300,1490
NETC25_2: C25.2 U2.7 | length 137.6
  Top Layer w10: C25.2@7630.68,3450.85 7630.68,3400 7645,3385.68 U2.7@7645,3319.13
NETC26_2: C26.2 U3.7 | length 114.3
  Top Layer w10: U3.7@7999.13,1755 8105,1755 C26.2@8105,1746.54
NETC31_1: C31.1 C34.1 R49.2 U5.3 | length 586
  Top Layer w10: U5.3@7999.13,2260 8060,2260 8095,2295 8148.61,2295 8151,2297.39 8205,2297.39 v1(8205,2300) ; v1(8405,2295) R49.2@8565,2295
  Bottom Layer w10: v1(8205,2300) 8400,2300 v1(8405,2295)
NETC31_2: C31.2 C35.1 R46.2 U5.2 | length 622
  Top Layer w10: U5.2@7999.13,2210 8080,2210 8090,2220 8148.39,2220 8153.39,2215 8195,2215 8225,2245 8225,2265 8257.39,2297.39 8301,2297.39 8301,2355 8321,2375 8425,2375 8450,2400 8450,2441.39 R46.2@8451,2442.39
NETC36_1: C36.1 C38.1 R54.2 U6.3 | length 372.2
  Top Layer w10: R54.2@990,3396 990,3290 1000,3280 1000,3175 1030,3145 1030,3041.18 U6.3@1030.57,3040.61
NETC36_2: C36.2 C39.1 R51.2 U6.2 | length 387.1
  Top Layer w10: U6.2@1080.57,3040.61 1080,3041.18 1080,3115 1085,3120 1085,3170 1095,3180 1095,3265 1110,3280 1110,3400 R51.2@1125,3400
NETC37_2: C37.2 U5.7 | length 156.5
  Top Layer w10: U5.7@7999.13,2460 8080,2460 8090,2450 8149.92,2450 C37.2@8151,2448.92
NETC40_2: C40.2 U6.7 | length 177.7
  Top Layer w10: C40.2@773.46,3170 815,3170 830,3155 830,3040.61 U6.7@830.57,3040.61
NETC45_1: C45.1 R55.1 R56.2 U10.9 | length 327.1
  Top Layer w10: U10.9@6502.49,3324.15 6560,3324.15 6580,3304.15 6580,3256.5 C45.1@6625,3211.5 R56.2@6755,3211.5
NETC45_2: C45.2 R55.2 R58.1 U10.8 | length 365.9
  Top Layer w10: U10.8@6502.49,3274.15 6502.49,3190 6542.49,3150 6623.5,3150 C45.2@6625,3148.5 R55.2@6690,3148.5 R58.1@6690,3071.5
NETC48_1: C48.1 R60.2 R61.2 U10.10 | length 338.4
  Top Layer w10: U10.10@6502.49,3374.15 6580,3374.15 6580,3373.5 R61.2@6593.5,3360 6633.5,3400 6683.5,3400 R60.2@6723.5,3360 6731.5,3360 C48.1@6731.5,3290
NETC49_1: C49.1 R57.1 R62.2 U10.5 | length 593.6
  Top Layer w10: R62.2@6154.28,2924.15 C49.1@6154.28,2999.15 6147.78,3005.65 R57.1@6147.78,3067.65 6150.13,3070 6210,3070 6230,3090 6230,3354.15 6250,3374.15 U10.5@6313.51,3374.15
NETC50_1: C50.1 R63.1 R64.2 U10.13 | length 258.4
  Top Layer w10: U10.13@6502.49,3524.15 6555,3524.15 6575,3544.15 6575,3553.5 C50.1@6595,3573.5 6730,3573.5 R64.2@6733.5,3570
NETC50_2: C50.2 R63.2 R66.1 U10.14 | length 1867.3
  Top Layer w10: R66.1@5436.5,2805 v1(5495,2805) ; v1(6430,3575) 6430.85,3574.15 U10.14@6502.49,3574.15 6505,3576.66 6505,3606.5 6535,3636.5 R63.2@6660,3636.5
  Bottom Layer w10: v1(5495,2805) 5495,3285 5570,3360 5945,3360 6055,3470 6270,3470 6375,3575 v1(6430,3575)
NETC55_1: C55.1 R67.2 R68.2 U10.12 | length 338.6
  Top Layer w10: U10.12@6502.49,3474.15 6567.65,3474.15 6633.5,3540 6698.5,3540 R67.2@6733.5,3505 R68.2@6733.5,3442.01 R68.2@6731.5,3440
NETC58_1: C58.1 R79.1 U10.3 | length 348
  Top Layer w10: C58.1@6006.5,3450 6042.99,3486.5 6120,3486.5 R79.1@6156.5,3450 6205,3450 6230,3475 6312.66,3475 U10.3@6313.51,3474.15
NETC61_1: C61.1 C64.1 L19.2 U12.1 | length 967.1
  Top Layer w50: U12.1@243.94,1477.13 357,1477.13 433.87,1554 532.7,1554 547.7,1569 609.46,1569 654.46,1614 654.46,1644 702,1691.54 C64.1@770,1691.54 771.54,1690 837.09,1690 862.09,1715 862.09,1845 895,1877.91 L19.2@950,1877.91
NETC74_1: C74.1 JP4.2 U16.3 | length 1084.4
  Top Layer w10: U16.3@2154.59,1066.32 2002.58,1066.32 C74.1@2000,1068.9 1900,1068.9 1872,1040.9 1872,719.1 1931.1,660 2100,660 2160,600 JP4.2@2160,470
NETCN1_3: CN1.3 R29.1 | length 191.1
  Top Layer w50: CN1.3@4013.78,6650 4013.78,6809.88 R29.1@4045,6809.88
NETCN2_3: CN2.3 R36.1 | length 172
  Top Layer w50: R36.1@3497.78,3854.27 3515,3854.27 3515,3993 CN2.3@3513.78,4009
NETCN3_3: CN3.3 R28.1 | length 174.1
  Top Layer w50: CN3.3@6035.78,6650 6035.78,6715 6070,6749.22 R28.1@6070,6809.88
NETCN4_3: CN4.3 R35.1 | length 167
  Top Layer w60: R35.1@5522.78,3854.27 5535,3854.27 5535,3988 CN4.3@5535.78,4009
NETCON1_1: CON1.1 F2.1 F2.2
NETD5_2: D5.2 ZD2.1 | length 174.4
  Top Layer w10: D5.2@9802,2886.61 9802,2885.2 ZD2.1@9975,2885.2
NETD6_2: D6.2 ZD4.1 | length 139.5
  Top Layer w10: D6.2@8767,2916.61 8770.58,2920.2 ZD4.1@8905,2920.2
NETD7_2: D7.2 R76.1 | length 101.9
  Top Layer w10: D7.2@1805,1854.72 1809.72,1850 R76.1@1904.96,1850
NETD8_2: D8.2 R77.1 | length 119.7
  Top Layer w30: D8.2@1442.28,1299 R77.1@1561.96,1299
NETH5_49: H5.49 U9.1 | length 553.5
  Top Layer w10: U9.1@4735.78,3090.08 4735.78,3034.22 v1(4740,3030) ; v1(4740,2650) 4744.09,2645.91 H5.49@4744.09,2540
  Bottom Layer w10: v1(4740,2650) v1(4740,3030)
NETH5_51: H5.51 U9.2 | length 749.5
  Top Layer w10: v1(4695,3145) 4770.78,3145 4785.78,3130 U9.2@4785.78,3090.08 ; v1(4711,2622) 4712.6,2620.4 H5.51@4712.6,2540
  Bottom Layer w10: v1(4695,3145) 4695,2980 4711,2965 v1(4711,2622)
NETH5_53: H5.53 U9.3 | length 989.7
  Top Layer w10: v1(4652,3185) 4795.78,3185 4835.78,3145 U9.3@4835.78,3090.08 ; v1(4680,2650) 4680,2501.1 H5.53@4681.1,2540
  Bottom Layer w10: v1(4652,3185) 4652,3114 4670,3096 4670,2960 4680,2950 v1(4680,2650)
NETH5_55: H5.55 U9.4 | length 1092.6
  Top Layer w10: v1(4610,3230) 4835.78,3230 4885.78,3180 U9.4@4885.78,3090.08 ; v1(4649,2620) 4649.61,2619.39 H5.55@4649.61,2540
  Bottom Layer w10: v1(4610,3230) 4610,3110 4645,3075 4645,2945 4649,2940 v1(4649,2620)
NETH5_77: H5.77 R69.1 R70.2 | length 361.8
  Top Layer w10: H5.77@4177.17,2540 4177.17,2630 4240,2692.83 R70.2@4240,2766.54 4246.54,2760 R69.1@4346.54,2760
NETH5_79: H5.79 R71.2 | length 230.9
  Top Layer w10: H5.79@4145.67,2540 4145.67,2766.54 R71.2@4150,2766.54
NETJ2_1: J2.1 S1.1
NETJP3_1: JP3.1 PW1.5 | length 240.9
  Top Layer w10: JP3.1@2187.87,4692.13 JP3.1@2190,4690
  Top Layer w50: PW1.5@1950,4692.13 JP3.1@2187.87,4692.13
NETJP4_1: JP4.1 U17.7 | length 195.6
  Top Layer w10: JP4.1@2160,370 2160,183.15 U17.7@2168.78,183.15
NETL1_2: L1.2 L1.2/2 U1.1 U1.2
NETL2_2: L2.2 RY1.3 | length 766.9
  Top Layer w10: L2.2@10100,4025 10307,4025 10311,4029 10455,3885 10455,3542.9 RY1.3@10461,3536.9
NetL2N_2: L2N.2 RY2.3 | length 2647.4
  Top Layer w10: RY2.3@9346,3545.9 9346,5308 9660,5622 10097,5622 L2N.2@10100,5625
NETL12_2: L12.2 U4.1 | length 198.3
  Top Layer w10: L12.2@7190.78,1943.46 L12.2@7195,1947.68
  Top Layer w50: L12.2@7195,1947.68 U4.1@7195,2140
NETL13_1: L13.1 U4.7 | length 211.9
  Top Layer w10: U4.7@7195,2740 7195.78,2740.78 L13.1@7195.78,2951.54
NETL14_2: L14.2 U7.1 | length 178.9
  Top Layer w10: L14.2@7458,233.07 7458,240 U7.1@7630,240
NETL15_1: L15.1 U7.7 | length 205.6
  Top Layer w10: U7.7@7630,840 7630,1043.46 L15.1@7631.54,1045
NETL16_2: L16.2 U8.1 | length 163.1
  Top Layer w10: L16.2@97.78,2507.61 L16.2@107.17,2517
  Top Layer w50: L16.2@107.17,2517 U8.1@257,2517
NETL17_1: L17.1 U8.7 | length 162.6
  Top Layer w10: L17.1@95,3118.46 96.46,3117 U8.7@257,3117
NETQ1_1: Q1.1 R9.2 R13.2 | length 1144.7
  Bottom Layer w50: R13.2@3270,6441.91 R9.2@3405,6441.91 3405,6379 3445,6339 3655,6339 3770,6224 3770,5979 3665.55,5874.55 Q1.1@3665.55,5749.64
NETQ2_1: Q2.1 R21.2 R23.2 | length 1048.5
  Bottom Layer w50: Q2.1@3898.23,4909.36 3898.23,4797.23 3815,4714 3815,4544 3870,4489 3975,4489 4115,4349 R21.2@4115,4216.09 R23.2@4250,4216.09
NETQ3_1: Q3.1 R10.2 R12.2 | length 1153.5
  Bottom Layer w50: R12.2@5295,6441.91 R10.2@5430,6441.91 5415,6436.91 5415,6379 5470,6324 5685,6324 5780,6229 5780,5996.45 5687.55,5904 Q3.1@5687.55,5749.64
NETQ4_1: Q4.1 R22.2 R24.2 | length 1038
  Bottom Layer w50: Q4.1@5920.23,4909.36 5920.23,4794.23 5830,4704 5830,4539 5895,4474 5970,4474 6140,4304 R22.2@6140,4216.09 R24.2@6275,4216.09
NETQ5_3: Q5.3 R30.2 R31.1 | length 339
  Top Layer w10: R30.2@8330,3088.23 R31.1@8330,3211.77 ; R31.1@8330,3226.54 8371.54,3226.54 8405,3260 8405,3270 8445,3310 Q5.3@8505,3310
NETR2_1: R2.1 R3.1 | length 108.5
  Top Layer w10: R2.1@9893.23,2730 R3.1@10001.77,2730
NETR3_2: R3.2 R5.2 | length 108.5
  Top Layer w10: R3.2@10098.23,2730 R5.2@10206.77,2730
NETR8_1: R8.1 R11.2 | length 93.1
  Top Layer w10: R11.2@2690,6203.46 R8.1@2690,6296.54
NETR11_1: R11.1 R15.2 | length 93.1
  Top Layer w10: R15.2@2690,6043.46 R11.1@2690,6136.54
NETR17_2: R17.2 R20.1 | length 99
  Top Layer w50: R17.2@7787,4254 R20.1@7886,4254
NETR25_2: R25.2 R26.2 | length 100
  Top Layer w10: R26.2@8465,1906.77 R25.2@8565,1906.77
NETR26_1: R26.1 R27.1 | length 105
  Top Layer w10: R27.1@8360,2003.23 R26.1@8465,2003.23
NETR32_2: R32.2 R37.2 | length 123.2
  Top Layer w10: R32.2@10508.39,2535 R37.2@10631.61,2535
NETR34_2: R34.2 U2.1 | length 188.3
  Top Layer w20: U2.1@7945,3319.13 7945,3430 7965,3450 8012.91,3450 R34.2@8013.76,3450.85
NETR37_1: R37.1 R40.1 R41.2 | length 3410.4
  Top Layer w10: R40.1@8300,1410 8390,1410 8461,1410 v1(8462,1409) ; R37.1@10708.39,2535 v1(10795,2535)
  Bottom Layer w10: v1(8462,1409) 8462,1627 8765,1930 10590,1930 10795,2135 v1(10795,2535)
NETR38_2: R38.2 U3.1 | length 264.6
  Top Layer w10: R38.2@7868.46,1285 7865,1288.46 7865,1385 7935,1455 U3.1@7999.13,1455
NETR43_1: R43.1 R44.1 | length 90
  Top Layer w10: R44.1@8300,1650 R43.1@8390,1650
NETR45_2: R45.2 U5.1 | length 117.1
  Top Layer w10: R45.2@7996.43,2044 7999.13,2046.7 U5.1@7999.13,2160
NETR47_2: R47.2 R48.2 | length 168.2
  Top Layer w10: R47.2@263.39,4975 R48.2@431.61,4975
NETR48_1: R48.1 R51.1 R52.2 | length 2090.4
  Top Layer w10: R48.1@508.39,4975 508.39,4045 700,3853.39 v1(700,3560) R52.2@700,3476 ; R51.1@1125,3480 1125,3555 v1(1130,3560)
  Bottom Layer w10: v1(700,3560) v1(1130,3560)
NETR50_2: R50.2 U6.1 | length 181.9
  Top Layer w10: U6.1@1130.57,3040.61 1304.07,3040.61 R50.2@1310,3046.54
NETR53_1: R53.1 R54.1 | length 145
  Top Layer w10: R53.1@845,3476 R54.1@990,3476
NETR59_2: R59.2 U10.6 U10.7 | length 257.8
  Top Layer w10: R59.2@6310,3191.5 6310,3270.64 U10.7@6313.51,3274.15 6315.21,3275.85 6370,3275.85 6384.15,3290 6384.15,3310 6370,3324.15 U10.6@6313.51,3324.15
NETR65_1: R65.1 R80.2 U10.1 | length 227.3
  Top Layer w10: R65.1@6109.78,3604.8 6196.93,3604.8 R80.2@6200,3611.5 6203.43,3600 6234.15,3600 6260,3574.15 U10.1@6313.51,3574.15
NETR72_2: R72.2 U12.4 | length 346.4
  Bottom Layer w50: U12.4@-86.18,997.2 50.2,997.2 102,1049 R72.2@102,1185.77
NETR73_2: R73.2 R74.2 U15.1 | length 261.6
  Top Layer w10: R73.2@4330,1804.96 4426.14,1804.96 U15.1@4434.41,1796.69 4434.41,1716.55 4436.96,1714 R74.2@4436.96,1644
NETR78_2: R78.2 R80.1 U10.2 | length 344.8
  Top Layer w10: v1(6160,3550) 6161.5,3548.5 6235.65,3548.5 6260,3524.15 U10.2@6313.51,3524.15 ; v1(6160,3690) 6161.5,3688.5 R78.2@6200,3688.5
  Bottom Layer w10: v1(6160,3550) v1(6160,3690)
NETU1_3: U1.3 U1.6 | length 582.8
  Top Layer w80: U1.3@6989.68,4076.26 7160,4076.26 7360,3876.26 U1.6@7489.68,3876.26
NETZD1_2: ZD1.2 ZD2.2 | length 135.4
  Top Layer w10: ZD2.2@9975,3034.8 ZD1.2@9975,3170.2
NETZD3_2: ZD3.2 ZD4.2 | length 130.4
  Top Layer w10: ZD4.2@8905,3069.8 ZD3.2@8905,3200.2
OPRLY: H5.52 R30.1 | length 5703.1
  Top Layer w10: v1(4712,2193) 4712,2366.14 H5.52@4712.6,2326.14 ; v1(4847,2149) 6672,2149 6687,2164 v1(6792,2164) ; v1(6792,1544) v1(7387,1544) ; v1(8330,2900) R30.1@8330,2991.77
  Bottom Layer w10: v1(4712,2193) 4738,2193 4780.13,2150.87 4845,2150.87 v1(4847,2149) ; v1(6792,1544) v1(6792,2164) ; v1(7387,1544) 7387,1819 7467,1899 7467,2289 7502,2324 7502,2534 7652,2684 7652,2789 7763,2900 v1(8330,2900)
PLC_RX: H5.12 H5.27 P1.15 | length 3026.2
  Top Layer w10: P1.15@3897.78,1174.15 3943.63,1220 v1(5075,1220) ; v1(5090,2229) 5332,2229 5342.52,2239.52 H5.12@5342.52,2326.14 ; v1(5090,2620) 5090.55,2619.45 H5.27@5090.55,2540
  Bottom Layer w10: v1(5075,1220) 5075,1330 5090,1345 v1(5090,2229) v1(5090,2620)
Q1.PWM: CN1.4 TP15.1 U9.16 | length 4952.3
  Top Layer w10: CN1.4@3913.78,6650 TP15.1@3913.78,6850 3913.78,6905 3983.78,6975 v1(4860,6975) ; v1(4735,3360) 4735.78,3359.22 U9.16@4735.78,3305.04
  Bottom Layer w10: v1(4735,3360) 4735,3534 4860,3659 v1(4860,6975)
Q1_C: CN1.8 R6.1 | length 111.3
  Bottom Layer w30: CN1.8@3513.78,6650 3513.78,6567.09 R6.1@3540,6556.09
Q1PWM+: CN1.9 R9.1 | length 97
  Bottom Layer w30: R9.1@3405,6556.09 3413.78,6567.09 CN1.9@3413.78,6650
Q1PWM-: CN1.10 D1.2 D2.1 L1.1 L1.1/2 Q1.3 Q2.2 R13.1 R18.2 | length 1712
  Bottom Layer w50: CN1.10@3313.78,6650 3313.78,6556.09 R13.1@3270,6556.09 3192.09,6556.09 3155,6519 3155,6364 3260,6259 3615,6259 3663.78,6210.22 D1.2@3663.78,6060 ; D2.1@3700,4599 3700,4454 3760,4394 3875,4394 3980,4289 R18.2@3980,4216.09
Q2.PWM: CN2.4 TP16.1 U9.15 | length 1891.7
  Top Layer w10: v1(3650,3369) 4488,3369 4524.78,3405.78 4760,3405.78 4785.78,3380 U9.15@4785.78,3305.04
  Bottom Layer w10: CN2.4@3613.78,4009 3613.78,3945 3650,3908.78 TP16.1@3650,3845 v1(3650,3369)
Q2_C: CN2.8 R18.1 | length 118.9
  Bottom Layer w30: R18.1@3980,4101.91 R18.1@4013.78,4092.91
  Bottom Layer w50: CN2.8@4013.78,4009 R18.1@4013.78,4092.91
Q2PWM+: CN2.9 R21.1 | length 93
  Bottom Layer w30: R21.1@4113.78,4092.91 R21.1@4115,4101.91
  Bottom Layer w50: CN2.9@4113.78,4009 R21.1@4113.78,4092.91